# KiCad board radioboard_original.kicad_pcb (continued)
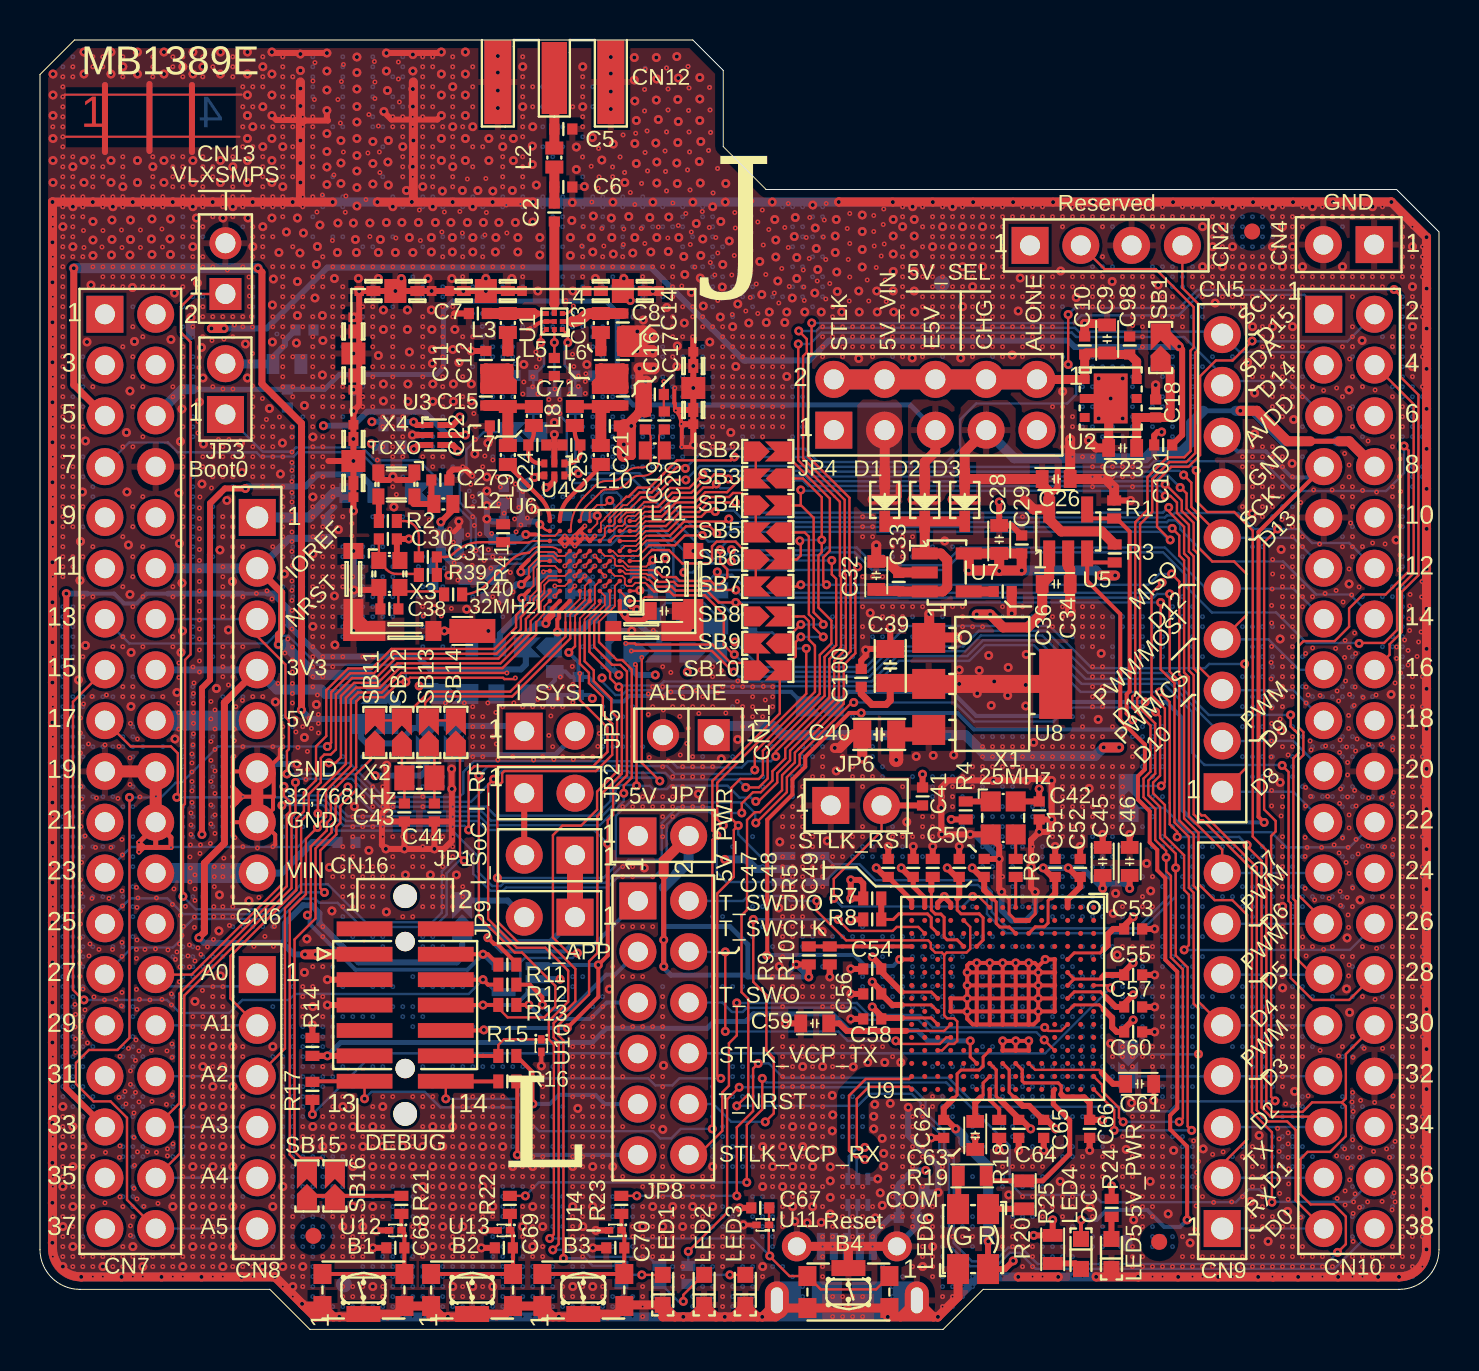
[diagram p0: board, top side]
## Routing (per net, layer and track width the routed paths; a pad name or vN(x,y) marks a point on that pad's centre or on a via; arc(x,y) is an arc through that point) (continued)
v2(25.14,9.64) v2(25.14,9.14) v2(25.14,8.64) v2(25.14,8.14) v2(25.14,7.64) v2(25.14,7.14) v2(25.14,6.64) v2(25.14,6.14) v2(25.14,5.64) v2(25.14,4.14) v2(25.14,3.64) v2(25.45,46.5) v2(25.45,45.8) v2(25.48,32.08) v2(25.45,29.7) v2(25.55,30.68) v2(25.64,46.14) v2(25.64,31.14) v2(25.64,29.14) v2(25.7,28.5) v2(25.75,47.02) v2(25.9,31.53) v2(26,46.5) v2(26,45.8) v2(26.02,32.63) v2(26.14,32.14) v2(26.14,31.14) v2(26.14,28.64) v2(26.14,2.14) v2(26.14,1.64) v2(26.3,51.45) v2(26.45,47.4) v2(26.5,46.78) v2(26.62,33.15) v2(26.64,61.14) v2(26.64,48.76) v2(26.7,48.15) v2(26.65,32.25) v2(26.65,31.35) v2(26.67,28.5) v2(26.64,14.14) v2(26.64,13.64) v2(26.64,13.14) v2(26.64,12.64) v2(26.64,12.14) v2(26.64,11.64) v2(26.64,10.64) v2(26.64,10.14) v2(26.64,9.64) v2(26.64,9.14) v2(26.64,8.64) v2(26.64,7.64) v2(26.64,7.14) v2(26.64,6.64) v2(26.64,5.64) v2(26.64,5.14) v2(26.64,4.64) v2(26.64,4.14) v2(26.64,1.64) v2(26.92,47.68) v2(26.92,47.15) v2(27.1,54.17) v2(27.14,62.64) v2(27.14,62.14) v2(27.14,61.64) v2(27.14,60.64) v2(27.14,60.14) v2(27.14,58.63) v2(27.17,55.15) v2(27.14,53.64) v2(27.14,53.14) v2(27.14,52.64) v2(27.14,28.64) v2(27.14,15.14) v2(27.14,14.64) v2(27.14,14.14) v2(27.14,13.64) v2(27.14,13.14) v2(27.14,12.64) v2(27.14,12.14) v2(27.14,11.64) v2(27.14,10.64) v2(27.14,10.14) v2(27.14,9.64) v2(27.14,9.14) v2(27.14,8.64) v2(27.14,8.14) v2(27.14,7.64) v2(27.14,7.14) v2(27.14,6.64) v2(27.14,6.14) v2(27.14,5.64) v2(27.14,4.64) v2(27.14,4.14) v2(27.14,3.64) v2(27.14,2.14) v2(27.14,1.64) v2(27.3,47.79) v2(27.27,47.4) v2(27.27,46.8) v2(27.57,58.16) v2(27.6,56.38) v2(27.64,53.14) v2(27.64,28.64) v2(27.64,15.64) v2(27.64,15.14) v2(27.64,14.64) v2(27.64,14.14) v2(27.64,13.64) v2(27.64,13.14) v2(27.64,12.64) v2(27.64,12.14) v2(27.64,11.64) v2(27.64,11.14) v2(27.64,10.64) v2(27.64,10.14) v2(27.64,9.64) v2(27.64,9.14) v2(27.64,8.64) v2(27.64,7.64) v2(27.64,7.14) v2(27.64,6.64) v2(27.64,5.64) v2(27.64,1.64) v2(27.92,57.06) v2(27.9,29.15) v2(27.94,59.05) v2(27.96,57.63) v2(27.98,29.8) v2(28.1,55.05) v2(28.2,54.17) v2(28.14,53.64) v2(28.14,53.14) v2(28.14,16.14) v2(28.14,15.64) v2(28.14,15.14) v2(28.14,14.64) v2(28.14,14.14) v2(28.14,13.64) v2(28.14,13.14) v2(28.14,12.64) v2(28.14,12.14) v2(28.14,11.64) v2(28.14,11.14) v2(28.14,10.64) v2(28.14,10.14) v2(28.14,9.64) v2(28.14,9.14) v2(28.14,8.64) v2(28.14,8.14) v2(28.14,7.64) v2(28.14,7.14) v2(28.14,6.64) v2(28.14,6.14) v2(28.14,5.64) v2(28.14,2.14) v2(28.14,1.64) v2(28.64,58.13) v2(28.64,57.64) v2(28.64,57.14) v2(28.64,53.14) v2(28.64,18.14) v2(28.64,17.64) v2(28.64,16.14) v2(28.64,15.64) v2(28.64,15.14) v2(28.64,14.64) v2(28.64,14.14) v2(28.64,13.64) v2(28.64,13.14) v2(28.64,12.64) v2(28.64,12.14) v2(28.64,11.64) v2(28.64,11.14) v2(28.64,10.64) v2(28.64,10.14) v2(28.64,9.64) v2(28.64,9.14) v2(28.64,8.64) v2(28.64,7.64) v2(29.01,58.63) v2(29.16,59.73) v2(29.2,55.02) v2(29.17,54.25) v2(29.14,53.64) v2(29.14,53.14) v2(29.14,26.14) v2(29.14,23.14) v2(29.14,22.64) v2(29.14,20.14) v2(29.14,17.64) v2(29.14,15.14) v2(29.14,12.64) v2(29.14,10.14) v2(29.14,7.64) v2(29.24,57.85) v2(29.52,56.85) v2(29.64,53.14) v2(29.64,26.14) v2(29.64,23.14) v2(29.64,22.64) v2(29.64,20.14) v2(29.64,17.64) v2(29.64,15.14) v2(29.64,5.14) v2(29.64,4.64) v2(29.79,59.81) v2(29.75,56.25) v2(30.09,57.3) v2(30.08,55.05) v2(30.14,53.14) v2(30.14,52.64) v2(30.14,26.64) v2(30.14,26.14) v2(30.14,20.14) v2(30.14,17.64) v2(30.14,15.14) v2(30.14,7.14) v2(30.14,6.14) v2(30.14,5.64) v2(30.14,4.64) v2(30.14,4.14) v2(30.14,3.64) v2(30.14,2.14) v2(30.14,1.64) v2(30.14,1.14) v2(30.14,0.64) v2(30.27,63.01) v2(30.24,62) v2(30.24,60.93) v2(30.26,58.85) v2(30.25,54.3) v2(30.36,59.93) v2(30.39,57.93) v2(30.42,31.78) v2(30.42,30.75) v2(30.48,28.6) v2(30.64,53.14) v2(30.67,34.95) v2(30.64,32.14) v2(30.64,31.14) v2(30.64,26.64) v2(30.64,26.14) v2(30.64,22.64) v2(30.64,20.14) v2(30.64,15.14) v2(30.64,12.64) v2(30.64,10.14) v2(30.64,7.64) v2(30.64,7.14) v2(30.64,6.64) v2(30.64,5.64) v2(30.64,5.14) v2(30.64,4.64) v2(30.64,4.14) v2(30.64,3.64) v2(30.92,55.12) v2(31.14,53.14) v2(31.14,33.14) v2(31.14,32.14) v2(31.14,31.64) v2(31.17,30.98) v2(31.14,28.14) v2(31.14,26.64) v2(31.14,26.14) v2(31.14,25.64) v2(31.14,25.14) v2(31.14,24.64) v2(31.14,16.64) v2(31.14,16.14) v2(31.14,15.64) v2(31.14,15.14) v2(31.14,14.64) v2(31.14,14.14) v2(31.14,12.64) v2(31.14,12.14) v2(31.14,11.64) v2(31.14,11.14) v2(31.14,10.64) v2(31.14,9.14) v2(31.14,8.64) v2(31.14,8.14) v2(31.14,7.64) v2(31.14,7.14) v2(31.14,6.64) v2(31.14,6.14) v2(31.14,5.64) v2(31.14,4.64) v2(31.14,4.14) v2(31.14,3.64) v2(31.26,58.93) v2(31.29,57.9) v2(31.34,63.08) v2(31.41,62.03) v2(31.41,60.98) v2(31.34,59.88) v2(31.34,56.93) v2(31.4,54.57) v2(31.42,28.43) v2(31.55,32.85) v2(31.55,31.88) v2(31.65,56.32) v2(31.64,53.14) v2(31.64,52.64) v2(31.64,52.14) v2(31.64,51.64) v2(31.64,50.64) v2(31.64,50.14) v2(31.64,49.64) v2(31.64,48.64) v2(31.64,31.14) v2(31.64,27.64) v2(31.64,27.14) v2(31.64,26.64) v2(31.64,26.14) v2(31.64,25.64) v2(31.64,7.64) v2(31.64,7.14) v2(31.64,6.64) v2(31.64,5.64) v2(31.64,5.14) v2(31.64,4.64) v2(31.64,4.14) v2(31.64,3.64) v2(31.75,47.08) v2(31.92,55.2) v2(32,30.65) v2(32.02,28.73) v2(32.1,52.17) v2(32.14,51.14) v2(32.14,49.64) v2(32.14,32.14) v2(32.14,31.64) v2(32.14,31.14) v2(32.14,28.14) v2(32.14,27.64) v2(32.14,27.14) v2(32.14,26.64) v2(32.14,26.14) v2(32.14,7.14) v2(32.14,6.64) v2(32.14,6.14) v2(32.14,5.64) v2(32.14,4.64) v2(32.14,3.14) v2(32.14,2.64) v2(32.3,55.8) v2(32.41,63.15) v2(32.39,57.98) v2(32.42,30.05) v2(32.35,29.3) v2(32.46,62.08) v2(32.44,60.95) v2(32.46,59.88) v2(32.49,58.88) v2(32.51,56.98) v2(32.52,54.25) v2(32.58,54.88) v2(32.64,51.14) v2(32.64,50.64) v2(32.64,49.64) v2(32.64,31.14) v2(32.64,28.64) v2(32.64,28.14) v2(32.64,27.64) v2(32.64,26.14) v2(32.64,7.14) v2(32.64,6.64) v2(32.64,5.64) v2(32.64,5.14) v2(32.64,4.64) v2(32.75,53.12) v2(32.83,31.95) v2(33.02,32.98) v2(32.95,30.8) v2(33.12,55.9) v2(33.14,50.64) v2(33.14,50.14) v2(33.14,44.14) v2(33.14,31.64) v2(33.14,31.14) v2(33.14,28.14) v2(33.14,27.64) v2(33.14,26.14) v2(33.14,7.64) v2(33.14,7.14) v2(33.14,6.64) v2(33.14,6.14) v2(33.14,5.64) v2(33.14,5.14) v2(33.14,3.64) v2(33.25,51.95) v2(33.49,62.1) v2(33.51,60.98) v2(33.44,58.95) v2(33.48,55.1) v2(33.52,53.35) v2(33.54,59.85) v2(33.66,56.83) v2(33.64,50.14) v2(33.64,48.64) v2(33.64,48.14) v2(33.64,45.64) v2(33.64,45.14) v2(33.64,44.64) v2(33.64,44.14) v2(33.64,33.14) v2(33.64,32.64) v2(33.64,32.14) v2(33.64,31.14) v2(33.64,28.14) v2(33.64,7.64) v2(33.64,7.14) v2(33.64,6.64) v2(33.64,5.64) v2(33.64,4.14) v2(33.64,3.64) v2(33.8,54.6) v2(33.75,52.72) v2(33.89,58.05) v2(33.9,53.82) v2(33.9,51.45) v2(33.9,31.85) v2(34.08,32.95) v2(34.14,50.14) v2(34.14,49.64) v2(34.14,49.14) v2(34.14,48.64) v2(34.14,48.14) v2(34.14,47.64) v2(34.14,47.14) v2(34.14,46.64) v2(34.14,46.14) v2(34.14,45.64) v2(34.14,45.14) v2(34.14,44.14) v2(34.14,32.14) v2(34.14,4.64) v2(34.14,4.14) v2(34.14,3.64) v2(34.14,3.14) v2(34.14,2.14) v2(34.14,1.64) v2(34.14,1.14) v2(34.3,30.83) v2(34.6,52.72) v2(34.62,50.75) v2(34.73,53.7) v2(34.73,51.82) v2(34.64,49.64) v2(34.64,49.14) v2(34.64,48.64) v2(34.64,47.64) v2(34.64,47.14) v2(34.64,46.64) v2(34.64,46.14) v2(34.64,45.64) v2(34.64,44.14) v2(34.64,32.14) v2(34.64,5.14) v2(34.64,4.64) v2(34.64,4.14) v2(34.64,3.64) v2(34.75,55.85) v2(34.77,55.07) v2(34.9,32.43) v2(34.87,31.4) v2(35.02,53.27) v2(35.08,54.42) v2(35.14,56.8) v2(35.14,49.64) v2(35.14,49.14) v2(35.14,48.64) v2(35.14,47.64) v2(35.14,47.14) v2(35.14,46.64) v2(35.14,46.14) v2(35.14,45.64) v2(35.14,45.14) v2(35.14,32.14) v2(35.14,31.14) v2(35.14,30.64) v2(35.14,30.14) v2(35.14,4.64) v2(35.14,4.14) v2(35.14,3.64) v2(35.3,50.92) v2(35.52,51.6) v2(35.6,56.42) v2(35.55,52.95) v2(35.64,49.64) v2(35.64,49.14) v2(35.64,48.64) v2(35.64,48.14) v2(35.64,47.64) v2(35.64,47.14) v2(35.64,46.64) v2(35.64,46.14) v2(35.64,45.64) v2(35.64,45.14) v2(35.64,32.14) v2(35.64,31.64) v2(35.64,31.14) v2(35.64,30.64) v2(35.64,30.14) v2(35.64,4.14) v2(35.64,3.64) v2(35.83,52.27) v2(35.9,55.38) v2(35.9,50.8) v2(36.12,55.97) v2(36.17,54.22) v2(36.14,49.64) v2(36.14,49.14) v2(36.14,48.64) v2(36.14,48.14) v2(36.14,47.64) v2(36.14,47.14) v2(36.14,46.64) v2(36.14,46.14) v2(36.14,45.64) v2(36.14,45.14) v2(36.14,44.64) v2(36.17,32.15) v2(36.14,30.64) v2(36.14,9.64) v2(36.14,8.64) v2(36.14,8.14) v2(36.14,7.64) v2(36.14,2.64) v2(36.3,52.75) v2(36.27,31.48) v2(36.45,55) v2(36.73,51.82) v2(36.64,49.64) v2(36.64,49.14) v2(36.64,48.64) v2(36.64,48.14) v2(36.64,47.64) v2(36.64,47.14) v2(36.64,46.64) v2(36.64,46.14) v2(36.64,45.64) v2(36.64,45.14) v2(36.64,32.14) v2(36.64,31.64) v2(36.64,31.14) v2(36.64,17.64) v2(36.64,17.14) v2(36.64,9.64) v2(36.64,9.14) v2(36.64,8.64) v2(36.64,7.64) v2(36.64,7.14) v2(36.95,51.32) v2(37.1,53.05) v2(37.14,49.64) v2(37.14,49.14) v2(37.14,48.64) v2(37.14,48.14) v2(37.14,47.14) v2(37.14,46.64) v2(37.14,46.14) v2(37.14,45.64) v2(37.14,45.14) v2(37.14,25.64) v2(37.14,25.14) v2(37.14,23.64) v2(37.14,23.14) v2(37.14,22.64) v2(37.14,22.14) v2(37.14,21.64) v2(37.14,20.64) v2(37.14,20.14) v2(37.14,19.64) v2(37.14,19.14) v2(37.14,18.64) v2(37.14,17.64) v2(37.14,17.14) v2(37.14,16.64) v2(37.14,16.14) v2(37.14,14.64) v2(37.14,14.14) v2(37.14,13.64) v2(37.14,13.14) v2(37.14,12.64) v2(37.14,12.14) v2(37.14,11.64) v2(37.14,11.14) v2(37.14,10.64) v2(37.14,10.14) v2(37.14,9.64) v2(37.14,8.64) v2(37.14,8.14) v2(37.14,7.64) v2(37.14,6.64) v2(37.14,6.14) v2(37.14,5.64) v2(37.14,5.14) v2(37.25,55.1) v2(37.42,56.3) v2(37.42,54.1) v2(37.48,52.15) v2(37.64,26.14) v2(37.64,25.64) v2(37.64,25.14) v2(37.64,24.64) v2(37.64,24.14) v2(37.64,23.64) v2(37.64,23.14) v2(37.64,22.64) v2(37.64,22.14) v2(37.64,21.64) v2(37.64,21.14) v2(37.64,20.64) v2(37.64,20.14) v2(37.64,19.64) v2(37.64,19.14) v2(37.64,17.64) v2(37.64,17.14) v2(37.64,16.64) v2(37.64,14.14) v2(37.64,13.64) v2(37.64,13.14) v2(37.64,12.64) v2(37.64,12.14) v2(37.64,11.64) v2(37.64,11.14) v2(37.64,10.64) v2(37.64,9.64) v2(37.64,9.14) v2(37.64,8.64) v2(37.64,7.64) v2(37.64,7.14) v2(37.64,6.64) v2(38.17,52.97) v2(38.2,52.12) v2(38.23,51.45) v2(38.14,27.14) v2(38.14,26.64) v2(38.14,26.14) v2(38.14,25.64) v2(38.14,25.14) v2(38.14,24.64) v2(38.14,24.14) v2(38.14,23.64) v2(38.14,23.14) v2(38.14,22.64) v2(38.14,22.14) v2(38.14,21.64) v2(38.14,21.14) v2(38.14,20.64) v2(38.14,20.14) v2(38.14,17.14) v2(38.14,16.64) v2(38.14,14.14) v2(38.14,13.64) v2(38.14,12.64) v2(38.14,12.14) v2(38.14,11.64) v2(38.14,11.14) v2(38.14,10.64) v2(38.14,10.14) v2(38.14,9.64) v2(38.14,8.64) v2(38.14,8.14) v2(38.14,7.64) v2(38.14,6.64) v2(38.14,6.14) v2(38.33,54.6) v2(38.5,55.6) v2(38.48,53.55) v2(38.64,27.64) v2(38.64,24.64) v2(38.64,24.14) v2(38.64,23.64) v2(38.64,23.14) v2(38.64,22.64) v2(38.64,22.14) v2(38.64,20.14) v2(38.64,17.14) v2(38.64,16.64) v2(38.64,14.14) v2(38.64,13.64) v2(38.64,13.14) v2(38.64,12.64) v2(38.64,12.14) v2(38.64,11.64) v2(38.64,11.14) v2(38.64,10.64) v2(38.64,9.64) v2(38.64,9.14) v2(38.64,8.64) v2(38.64,7.64) v2(38.64,7.14) v2(38.64,6.64) v2(38.87,52.42) v2(39.23,55.47) v2(39.17,54.62) v2(39.14,50.14) v2(39.14,49.64) v2(39.14,49.14) v2(39.14,48.64) v2(39.14,28.64) v2(39.14,28.14) v2(39.14,27.64) v2(39.14,23.64) v2(39.14,23.14) v2(39.14,22.64) v2(39.14,22.14) v2(39.14,17.14) v2(39.14,16.64) v2(39.14,16.14) v2(39.14,14.14) v2(39.14,13.64) v2(39.14,12.64) v2(39.14,12.14) v2(39.14,11.64) v2(39.14,11.14) v2(39.14,10.64) v2(39.14,10.14) v2(39.14,9.64) v2(39.14,9.14) v2(39.14,8.64) v2(39.14,7.14) v2(39.14,6.14) v2(39.14,4.64) v2(39.14,4.14) v2(39.14,3.64) v2(39.14,3.14) v2(39.14,2.64) v2(39.33,56.3) v2(39.3,53.5) v2(39.3,51.52) v2(39.5,52.3) v2(39.64,51.14) v2(39.64,50.64) v2(39.64,50.14) v2(39.64,49.64) v2(39.64,49.14) v2(39.64,23.64) v2(39.64,23.14) v2(39.64,17.14) v2(39.64,16.64) v2(39.64,16.14) v2(39.64,14.14) v2(39.64,13.64) v2(39.64,13.14) v2(39.64,12.64) v2(39.64,5.14) v2(39.64,4.64) v2(39.64,4.14) v2(39.64,1.64) v2(39.64,1.14) v2(39.64,0.64) v2(40.14,50.14) v2(40.14,49.64) v2(40.14,49.14) v2(40.14,48.64) v2(40.14,29.64) v2(40.14,28.64) v2(40.14,24.64) v2(40.14,24.14) v2(40.14,23.64) v2(40.14,17.14) v2(40.14,16.14) v2(40.14,14.14) v2(40.14,13.64) v2(40.14,13.14) v2(40.14,12.64) v2(40.14,8.14) v2(40.14,7.64) v2(40.14,7.14) v2(40.14,6.64) v2(40.14,6.14) v2(40.14,5.64) v2(40.14,5.14) v2(40.14,4.64) v2(40.14,4.14) v2(40.14,1.64) v2(40.14,1.14) v2(40.14,0.64) v2(40.37,55.05) v2(40.42,53.5) v2(40.5,55.8) v2(40.5,54.3) v2(40.5,52.62) v2(40.48,51.42) v2(40.64,50.14) v2(40.64,49.64) v2(40.64,49.14) v2(40.64,28.14) v2(40.64,27.64) v2(40.64,24.64) v2(40.64,24.14) v2(40.64,14.14) v2(40.64,13.64) v2(40.64,7.64) v2(40.64,7.14) v2(40.64,6.64) v2(40.64,6.14) v2(40.64,5.64) v2(40.64,5.14) v2(40.64,4.64) v2(40.64,4.14) v2(40.64,1.64) v2(40.64,1.14) v2(40.64,0.64) v2(41.14,50.14) v2(41.14,49.64) v2(41.14,49.14) v2(41.14,40.64) v2(41.14,40.14) v2(41.14,39.64) v2(41.14,37.64) v2(41.14,36.14) v2(41.14,35.14) v2(41.14,34.64) v2(41.14,27.64) v2(41.14,27.14) v2(41.14,25.14) v2(41.14,24.64) v2(41.14,14.14) v2(41.14,7.14) v2(41.14,6.64) v2(41.14,6.14) v2(41.14,5.64) v2(41.14,5.14) v2(41.14,4.64) v2(41.14,4.14) v2(41.14,1.64) v2(41.14,1.14) v2(41.14,0.64) v2(41.37,52.47) v2(41.45,51.42) v2(41.7,55.7) v2(41.7,54.9) v2(41.73,54.17) v2(41.64,50.14) v2(41.64,49.64) v2(41.64,49.14) v2(41.64,48.64) v2(41.64,40.64) v2(41.64,40.14) v2(41.64,39.64) v2(41.64,37.64) v2(41.64,35.14) v2(41.64,27.64) v2(41.64,14.14) v2(41.64,6.14) v2(41.64,4.64) v2(41.64,4.14) v2(41.83,53.1) v2(42.08,53.67) v2(42.2,56.02) v2(42.17,55.25) v2(42.23,54.27) v2(42.14,50.14) v2(42.14,49.64) v2(42.14,49.14) v2(42.14,37.64) v2(42.14,36.14) v2(42.14,35.64) v2(42.14,14.14) v2(42.14,5.14) v2(42.27,52.47) v2(42.33,51.4) v2(42.64,50.14) v2(42.64,49.64) v2(42.64,49.14) v2(42.64,39.14) v2(42.64,36.14) v2(42.64,35.64) v2(42.64,24.64) v2(42.64,13.64) v2(42.64,10.64) v2(42.64,10.14) v2(42.64,9.64) v2(42.64,9.14) v2(42.64,8.64) v2(42.64,7.64) v2(42.64,7.14) v2(42.64,6.64) v2(42.64,6.14) v2(42.64,5.64) v2(43.14,56.14) v2(43.14,55.64) v2(43.14,54.14) v2(43.14,53.64) v2(43.14,53.14) v2(43.14,52.64) v2(43.14,52.14) v2(43.14,51.64) v2(43.14,51.14) v2(43.14,50.64) v2(43.14,50.14) v2(43.14,49.64) v2(43.14,49.14) v2(43.14,48.64) v2(43.14,39.64) v2(43.14,39.14) v2(43.14,38.64) v2(43.14,36.14) v2(43.14,35.64) v2(43.14,35.14) v2(43.14,27.14) v2(43.14,24.64) v2(43.14,10.64) v2(43.14,10.14) v2(43.14,9.64) v2(43.14,9.14) v2(43.14,8.64) v2(43.14,8.14) v2(43.14,7.64) v2(43.14,7.14) v2(43.14,6.64) v2(43.14,6.14) v2(43.14,5.64) v2(43.64,50.14) v2(43.64,49.64) v2(43.64,49.14) v2(43.64,39.64) v2(43.64,36.14) v2(43.64,24.64) v2(43.64,10.64) v2(43.64,10.14) v2(43.64,9.64) v2(43.64,9.14) v2(43.64,8.64) v2(43.64,8.14) v2(43.64,7.64) v2(43.64,7.14) v2(43.64,6.64) v2(43.64,6.14) v2(43.64,5.64) v2(43.64,5.14) v2(43.64,3.14) v2(44.14,56.14) v2(44.14,55.14) v2(44.14,54.14) v2(44.14,53.14) v2(44.14,52.64) v2(44.14,51.64) v2(44.14,51.14) v2(44.14,50.14) v2(44.14,49.64) v2(44.14,49.14) v2(44.14,48.64) v2(44.14,36.14) v2(44.14,25.64) v2(44.14,25.14) v2(44.14,24.64) v2(44.14,11.14) v2(44.14,10.64) v2(44.14,10.14) v2(44.14,9.14) v2(44.14,8.64) v2(44.14,7.14) v2(44.14,6.64) v2(44.14,6.14) v2(44.14,5.14) v2(44.14,4.64) v2(44.14,4.14) v2(44.14,3.64) v2(44.64,55.64) v2(44.64,55.14) v2(44.64,54.64) v2(44.64,53.64) v2(44.64,53.14) v2(44.64,52.64) v2(44.64,52.14) v2(44.64,51.64) v2(44.64,51.14) v2(44.64,50.64) v2(44.64,50.14) v2(44.64,49.64) v2(44.64,49.14) v2(44.64,25.64) v2(44.64,25.14) v2(44.64,24.64) v2(44.64,11.64) v2(44.64,11.14) v2(44.64,8.64) v2(44.64,6.14) v2(44.64,5.14) v2(44.64,4.64) v2(44.64,3.64) v2(44.64,3.14) v2(44.64,2.64) v2(45.14,56.14) v2(45.14,55.64) v2(45.14,54.64) v2(45.14,54.14) v2(45.14,53.64) v2(45.14,53.14) v2(45.14,52.64) v2(45.14,52.14) v2(45.14,51.64) v2(45.14,51.14) v2(45.14,50.64) v2(45.14,50.14) v2(45.14,49.64) v2(45.14,49.14) v2(45.14,36.14) v2(45.14,27.14) v2(45.14,26.64) v2(45.14,8.64) v2(45.14,8.14) v2(45.14,7.64) v2(45.14,4.64) v2(45.14,1.64) v2(45.14,1.14) v2(45.64,55.64) v2(45.64,55.14) v2(45.64,54.64) v2(45.64,53.64) v2(45.64,53.14) v2(45.64,52.64) v2(45.64,52.14) v2(45.64,51.64) v2(45.64,51.14) v2(45.64,50.64) v2(45.64,50.14) v2(45.64,49.64) v2(45.64,49.14) v2(45.64,36.14) v2(45.64,27.14) v2(45.64,26.64) v2(45.64,26.14) v2(45.64,24.64) v2(45.64,8.64) v2(45.64,4.64) v2(45.64,1.64) v2(46.14,56.14) v2(46.14,55.64) v2(46.14,54.64) v2(46.14,54.14) v2(46.14,53.64) v2(46.14,52.64) v2(46.14,52.14) v2(46.14,51.64) v2(46.14,50.64) v2(46.14,50.14) v2(46.14,49.64) v2(46.14,49.14) v2(46.14,36.14) v2(46.14,35.64) v2(46.14,35.14) v2(46.14,27.64) v2(46.14,27.14) v2(46.14,4.64) v2(46.64,55.64) v2(46.64,55.14) v2(46.64,54.64) v2(46.64,53.64) v2(46.64,53.14) v2(46.64,52.64) v2(46.64,51.64) v2(46.64,51.14) v2(46.64,50.64) v2(46.64,50.14) v2(46.64,49.64) v2(46.64,49.14) v2(46.64,48.64) v2(46.64,35.14) v2(46.64,28.14) v2(46.64,27.64) v2(46.64,27.14) v2(46.64,4.64) v2(47.14,56.14) v2(47.14,55.64) v2(47.14,54.64) v2(47.14,54.14) v2(47.14,53.64) v2(47.14,52.64) v2(47.14,52.14) v2(47.14,51.64) v2(47.14,51.14) v2(47.14,50.64) v2(47.14,50.14) v2(47.14,49.64) v2(47.14,49.14) v2(47.14,35.14) v2(47.14,29.14) v2(47.14,28.64) v2(47.14,28.14) v2(47.14,27.64) v2(47.64,56.14) v2(47.64,55.64) v2(47.64,55.14) v2(47.64,54.64) v2(47.64,54.14) v2(47.64,53.64) v2(47.64,53.14) v2(47.64,52.64) v2(47.64,52.14) v2(47.64,51.64) v2(47.64,51.14) v2(47.64,50.64) v2(47.64,50.14) v2(47.64,49.64) v2(47.64,49.14) v2(47.64,29.14) v2(47.64,28.64) v2(47.64,28.14) v2(48.14,56.14) v2(48.14,55.64) v2(48.14,55.14) v2(48.14,54.64) v2(48.14,54.14) v2(48.14,53.64) v2(48.14,53.14) v2(48.14,52.64) v2(48.14,52.14) v2(48.14,51.64) v2(48.14,51.14) v2(48.14,50.64) v2(48.14,50.14) v2(48.14,49.64) v2(48.14,49.14) v2(48.14,48.64) v2(48.14,36.14) v2(48.14,29.14) v2(48.14,28.64) v2(48.14,28.14) v2(48.14,27.64) v2(48.14,22.64) v2(48.14,8.14) v2(48.14,4.64) v2(48.14,4.14) v2(48.64,55.64) v2(48.64,52.14) v2(48.64,51.64) v2(48.64,50.14) v2(48.64,49.64) v2(48.64,29.14) v2(48.64,28.64) v2(48.64,28.14) v2(48.64,27.64) v2(48.64,8.14) v2(48.64,5.14) v2(48.64,4.64) v2(48.64,4.14) v2(49.14,56.14) v2(49.14,55.64) v2(49.14,51.64) v2(49.14,50.14) v2(49.14,49.64) v2(49.14,49.14) v2(49.14,48.64) v2(49.14,40.64) v2(49.14,36.14) v2(49.14,29.14) v2(49.14,28.64) v2(49.14,28.14) v2(49.14,8.14) v2(49.14,6.64) v2(49.14,5.14) v2(49.14,4.64) v2(49.14,4.14) v2(49.14,3.14) v2(49.64,56.14) v2(49.64,55.64) v2(49.64,52.64) v2(49.64,52.14) v2(49.64,51.64) v2(49.64,51.14) v2(49.64,50.64) v2(49.64,50.14) v2(49.64,49.64) v2(49.64,49.14) v2(49.64,28.64) v2(49.64,28.14) v2(49.64,24.14) v2(49.64,23.64) v2(49.64,22.64) v2(49.64,8.64) v2(49.64,8.14) v2(49.64,6.64) v2(49.64,4.14) v2(49.64,3.64) v2(49.64,3.14) v2(49.64,2.64) v2(50.14,56.14) v2(50.14,55.64) v2(50.14,52.64) v2(50.14,52.14) v2(50.14,51.64) v2(50.14,51.14) v2(50.14,50.64) v2(50.14,50.14) v2(50.14,49.64) v2(50.14,49.14) v2(50.14,29.14) v2(50.14,28.64) v2(50.14,28.14) v2(50.14,27.64) v2(50.14,8.14) v2(50.14,6.64) v2(50.14,6.14) v2(50.14,5.64) v2(50.14,2.64) v2(50.64,55.64) v2(50.64,52.64) v2(50.64,52.14) v2(50.64,51.64) v2(50.64,51.14) v2(50.64,50.64) v2(50.64,50.14) v2(50.64,49.64) v2(50.64,49.14) v2(50.64,48.64) v2(50.64,46.14) v2(50.64,35.64) v2(50.64,35.14) v2(50.64,29.14) v2(50.64,28.64) v2(50.64,28.14) v2(50.64,26.64) v2(50.64,24.64) v2(50.64,8.64) v2(50.64,6.64) v2(50.64,6.14) v2(51.14,56.14) v2(51.14,55.64) v2(51.14,55.14) v2(51.14,52.14) v2(51.14,51.64) v2(51.14,46.14) v2(51.14,45.64) v2(51.14,45.14) v2(51.14,44.14) v2(51.14,36.14) v2(51.14,35.64) v2(51.14,35.14) v2(51.14,29.14) v2(51.14,28.64) v2(51.14,28.14) v2(51.14,27.64) v2(51.14,27.14) v2(51.14,26.64) v2(51.14,26.14) v2(51.14,25.64) v2(51.14,25.14) v2(51.14,24.64) v2(51.14,6.64) v2(51.14,6.14) v2(51.14,5.64) v2(51.64,56.14) v2(51.64,55.64) v2(51.64,52.64) v2(51.64,52.14) v2(51.64,45.64) v2(51.64,45.14) v2(51.64,43.64) v2(51.64,35.14) v2(51.64,29.64) v2(51.64,29.14) v2(51.64,28.64) v2(51.64,28.14) v2(51.64,27.64) v2(51.64,27.14) v2(51.64,26.64) v2(51.64,26.14) v2(51.64,25.64) v2(51.64,25.14) v2(51.64,24.64) v2(51.64,8.14) v2(51.64,7.64) v2(51.64,7.14) v2(51.64,6.64) v2(51.64,6.14) v2(52.14,56.14) v2(52.14,55.64) v2(52.14,52.64) v2(52.14,52.14) 